# Altium PCB Touch01.PcbDoc
Units mil, origin at the board's own origin, x right, y up, seen from the top; angles counter-clockwise.
Board outline 2350.21 x 1949.06 mil, 2 copper layers (Top Layer, Bottom Layer); 54 components, 45 nets, 248 pads, 56 vias.
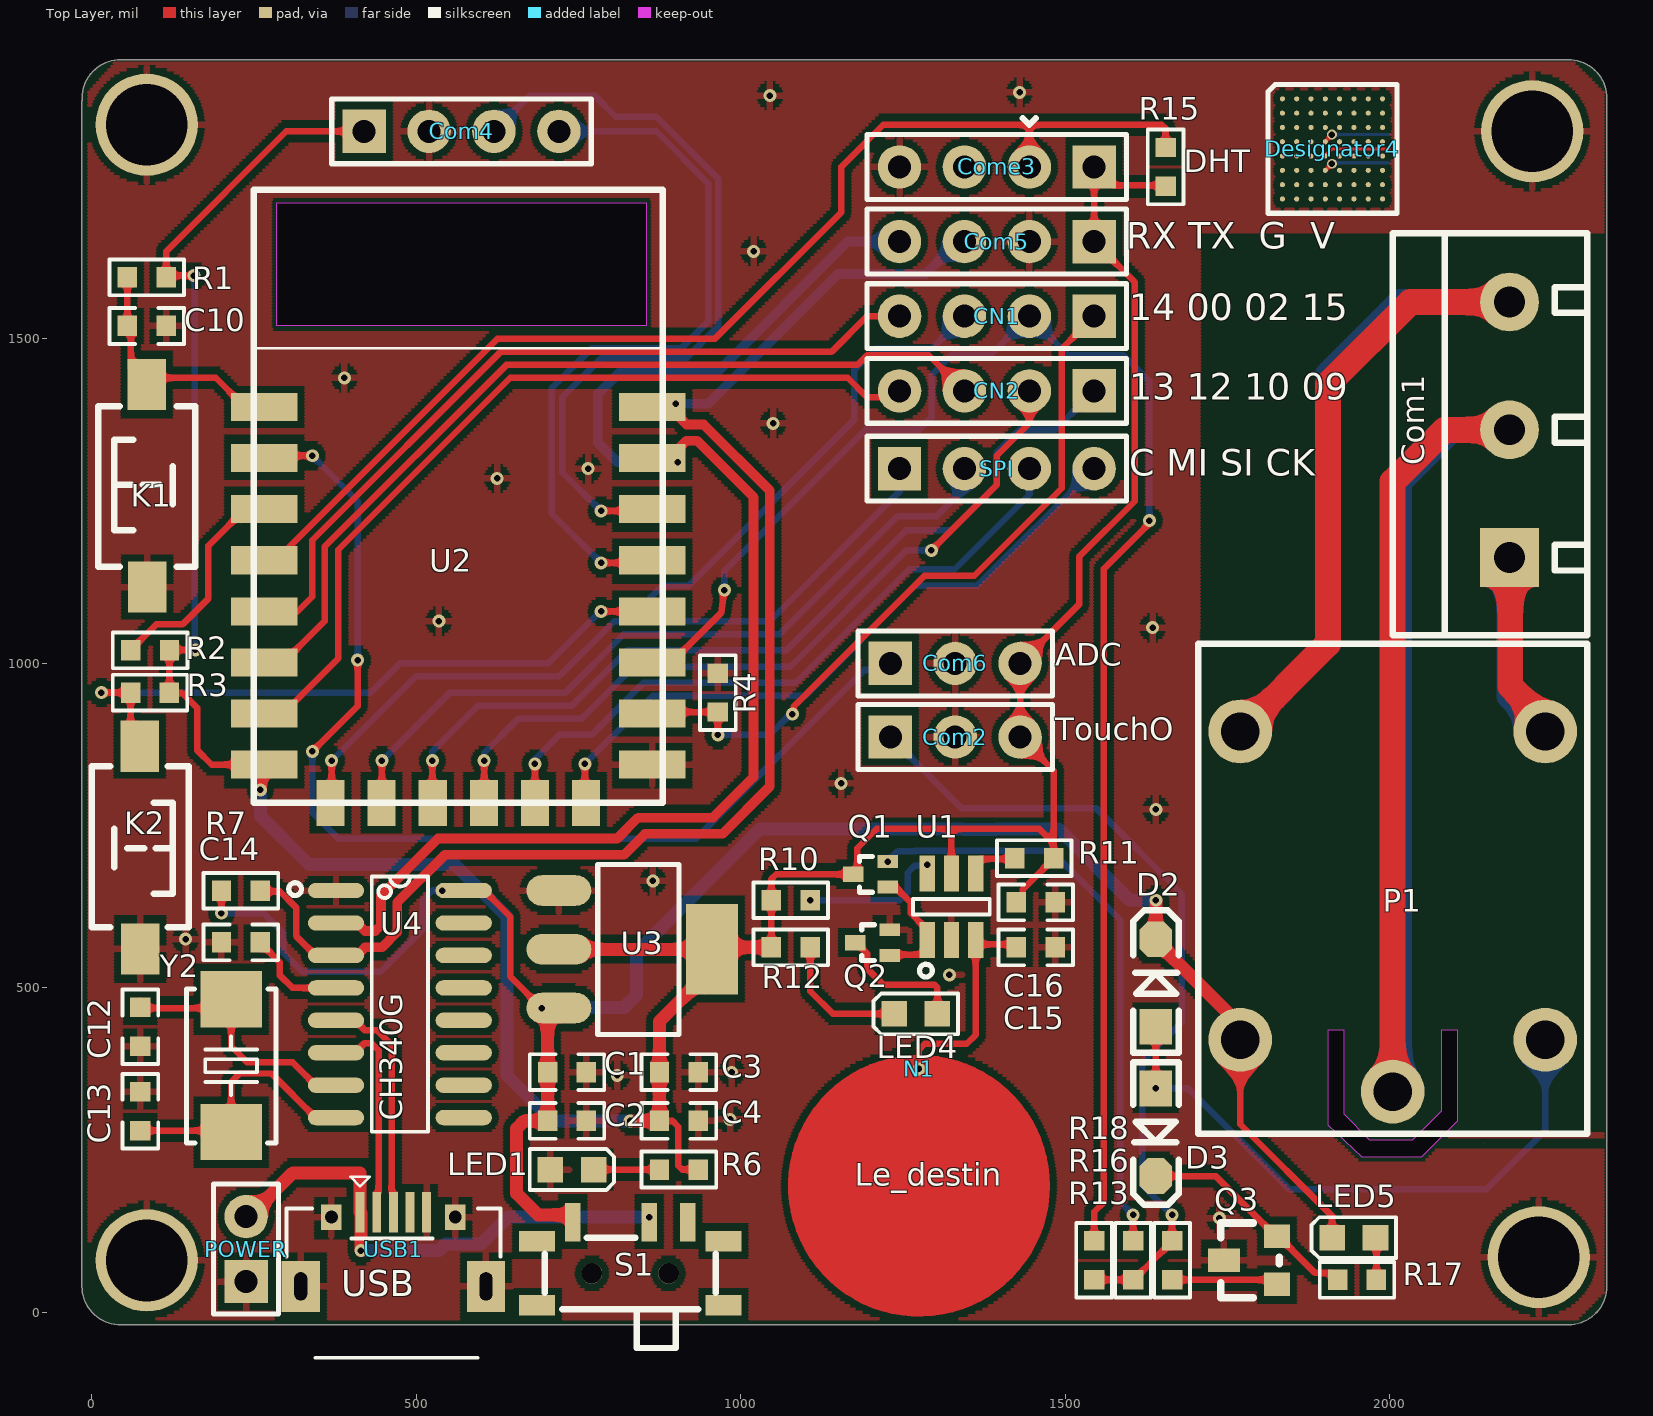
[diagram p0: Top Layer view]
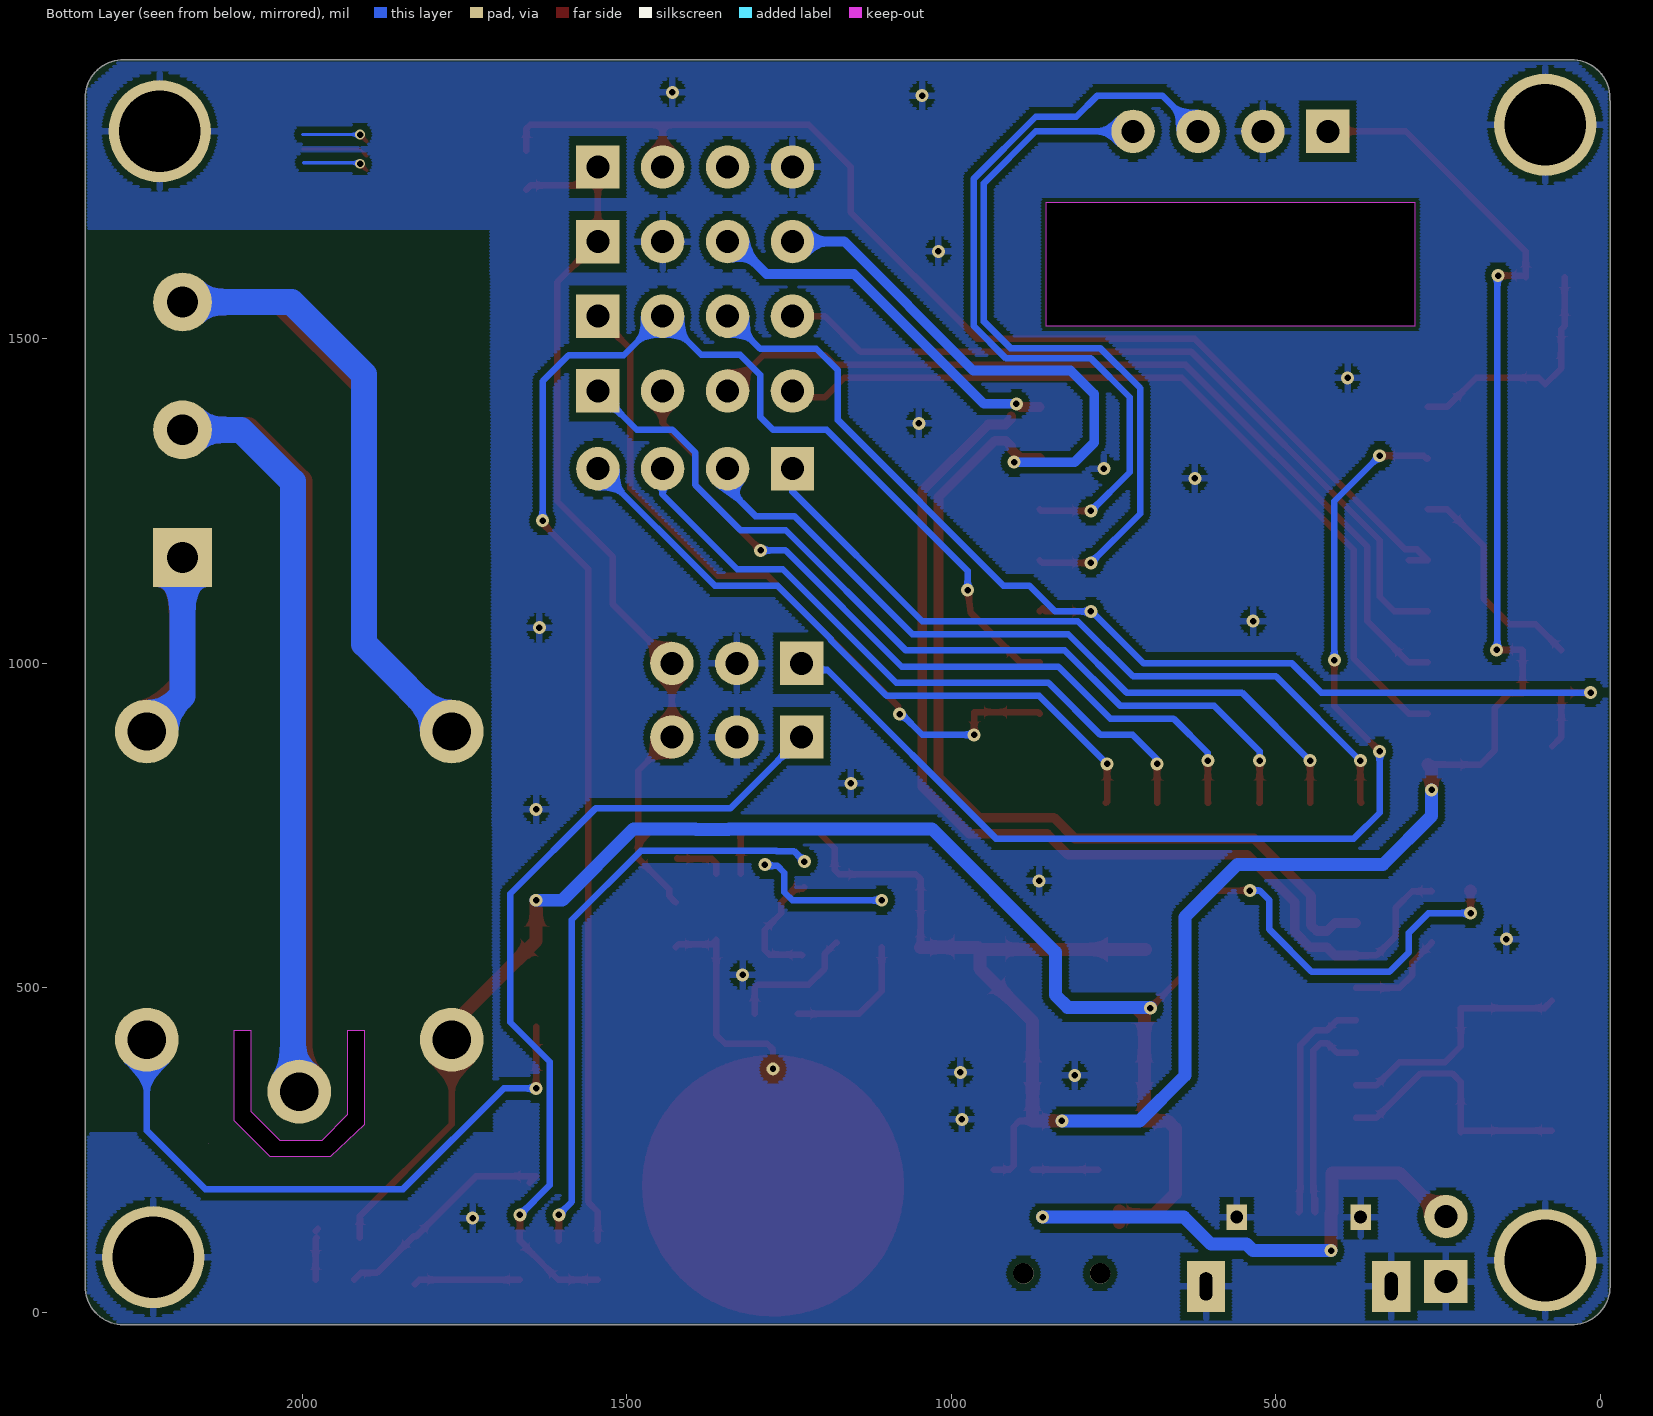
[diagram p1: Bottom Layer view, seen from below]

## Layer stack, top to bottom
Top Solder: solder mask 0.4, Solder Resist, Dk 3.5
Top Layer: signal copper 1.4
Dielectric 1: dielectric 12.6, FR-4, Dk 4.8
Bottom Layer: signal copper 1.4
Bottom Solder: solder mask 0.4, Solder Resist, Dk 3.5

## Board outline
-15.2,40 -15.2,1866.89 -14.89,1866.89 cw(c44.01,1871.1) 39.8,1930 2274.8,1930 cw(c2275.96,1870.96) 2335.02,1870.96 2334.8,40 cw(c2275.75,40) 2275.75,-19.06 44.79,-19.05 cw(c43.86,40)
cut-out: 2144.8,260

## Design rules (kind name [scope] priority, off if disabled: settings)
Clearance [All] p1: gap=6 ignorepadtopadclearanceinfootprint=FALSE except(10: Arc-Poly Track-Poly SMDPad-Poly THPad-Poly Via-Poly Fill-Poly Poly-Poly)
DiffPairsRouting [All] p1: maxlimit=10 minlimit=10 mostfreqgap=10 toplayer_minwidth=10 toplayer_maxwidth=15 toplayer_prefwidth=15 bottomlayer_minwidth=10 bottomlayer_maxwidth=15 bottomlayer_prefwidth=15 maxuncoupledlength=500
PolygonConnect PolygonConnect_2 [InNet('GND') vs IsNamedPolygon('GND_L02_P012')] p1: connectstyle=Relief reliefconductorwidth=10 reliefentries=4 polygonreliefangle="90 Angle" airgapwidth=10
PolygonConnect PolygonConnect_1 [InNet('GND') vs IsNamedPolygon('GND_L01_P010')] p2: connectstyle=Relief reliefconductorwidth=10 reliefentries=4 polygonreliefangle="90 Angle" airgapwidth=10
RoutingVias [All] p1: holewidth=10 width=20 viastyle="Through Hole" minholewidth=10 minwidth=20 maxholewidth=10 maxwidth=20
SolderMaskExpansion [All] p1: expansion=4
Width [All] p1: maxlimit=40 minlimit=5 preferedwidth=10
29 further rules are at their usual default settings.

## Components (designator, comment, footprint, x,y, rotation, side; value= is the part's Value field where it differs from the comment)
C1 "0.1uF" 0603C 732.32,370 r0 top
C2 "10uF" 0603C 732.32,295 r0 top
C3 "0.1uF" 0603C 904.8,370 r0 top
C4 "10uF" 0603C 904.8,295 r0 top
C10 "104" 0603C 84.8,1520 r0 top
C12 "22pF" 0603C 74.8,439.92 r270 top
C13 "22pF" 0603C 74.8,310 r90 top
C14 "0.01uF" 0603C 229.8,570 r0 top
C15 "0~50pF" 0603C 1454.8,562.5 r0 top
C16 "0.1uF" 0603C 1454.8,631.64 r0 top
CN1 "COM4" HDR2.54-LI-4P 1394.8,1535 r180 top
CN2 "COM4" HDR2.54-LI-4P 1394.8,1420 r180 top
Com1 "COM3-relay" KF301-5.0-3P 2184.8,1360 r90 top
Com2 "COM3" HDR2.54-M-LI-3P 1330.62,886.53 r0 top
Com4 "COM4_oled" HDR2.54-4P 569.8,1820 r0 top
Com5 "COM4-USART" HDR2.54-LI-4P 1394.77,1650 r180 top
Com6 "COM3-adc" HDR2.54-LI-3P 1330.62,1000 r0 top
Come3 "COM4-singlewire" HDR2.54-4P 1394.77,1765 r180 top
D2 "1N4007" SOD-123 1639.8,507.5 r90 top
D3 "1N4007" SOD-123 1639.8,277.5 r270 top
Designator4 "Comment" BGA64X8 1834.8,1870 r0 top
K1 "Key-Reset" "TSW SMD-3*6*2.5" 84.8,1275 r90 top
K2 "Key-Flash" "TSW SMD-3*6*2.5" 74.8,715 r270 top
LED1 "LED" 0603D 739.8,220 r0 top
LED4 "LED" 0603D 1269.8,460 r180 top
LED5 "LED 0603" 0603D 1944.8,115 r180 top
N1 "TouchPad" TOUCHPAD 1274.8,195 r90 top
P1 "Relay-TONGLING-5" TONGLING-RELAY-5 1704.8,285 r90 top
POWER "COM2" COM2 237.87,97.43 r90 top
Q1 "NPN_DTC143" SOT-523 1199.8,675 r0 top
Q2 "NPN_DTC143" SOT-523 1203.23,569.68 r0 top
Q3 "S8050" SOT23 1784.8,80 r90 top
R1 "10K" 0603R 84.8,1595 r0 top
R2 "10K" 0603R 89.88,1020 r0 top
R3 "10K" 0603R 89.72,955 r0 top
R4 "1K" 0603R 964.8,955 r270 top
R6 "10K" 0603R 904.8,220 r0 top
R7 "4.7K" 0603R 229.88,649.61 r0 top
R10 "470" 0603R 1077.3,635 r0 top
R11 "470" 0603R 1452.52,700 r180 top
R12 "4.7k" 0603R 1077.3,562.5 r0 top
R13 "1K" 0603R 1664.8,80.08 r90 top
R15 "470" 0603R 1654.8,1765.08 r270 top
R16 "NC" 0603R 1604.8,80.08 r270 top
R17 "4.7K" 0603R 1949.8,50 r180 top
R18 "NC" 0603R 1544.77,80.08 r270 top
S1 "SW-SPDT" MSK-12C01-07 829.8,60 r0 top
SPI "COM4" HDR2.54-LI-4P 1394.77,1300 r0 top
U1 "TTP223-BA" SOT23-6 1324.8,625 r0 top
U2 "ESP8266" "ESP-12E&F MODULE" 564.8,1090 r0 top locked
U3 "LM1117" SOT223 719.8,650 r270 top
U4 "CH340G" SOP16 474.8,475 r270 top
USB1 "USB-mini" USB-micro_A 464.8,40 r0 top
Y2 "12MHz" "YYC 6035-2P" 214.8,380 r270 top

## Footprints (in the part's own frame and the unit in brackets; to place one, negate y for a bottom-side part, rotate by r counter-clockwise, add the part's x,y. Pads: shape width x height; smd on the part's side, far side on the other; paste and mask are expansions set on the pad)
0603C [mm]
  rect 0.76x0.8 smd: 1(-0.76,0) 2(0.76,0)
  silkscreen extent -1.46,-0.7 1.46,0.7, body extent -0.8,-0.4 0.8,0.4, height 0.85
0603D [mm]
  rect 1x1 smd: 1(0.85,0) 2(-0.85,0)
  silkscreen extent -1.65,-0.8 1.65,0.8, body extent -0.81,-0.4 0.81,0.4, height 0.6
0603R [mm]
  rect 0.76x0.8 smd: 1(-0.76,0) 2(0.76,0)
  silkscreen extent -1.46,-0.7 1.46,0.7, body extent -0.85,-0.4 0.85,0.4, height 0.56
BGA64X8 [mm]
  round 0.2 smd: A1(0,0) A2(0.56,0) A3(1.12,0) A4(1.68,0) A5(2.24,0) A6(2.8,0) A7(3.36,0) A8(3.92,0) B1(0,-0.56) B2(0.56,-0.56) B3(1.12,-0.56) B4(1.68,-0.56) B5(2.24,-0.56) B6(2.8,-0.56) B7(3.36,-0.56) B8(3.92,-0.56) C1(0,-1.12) C2(0.56,-1.12) C3(1.12,-1.12) C4(1.68,-1.12) C5(2.24,-1.12) C6(2.8,-1.12) C7(3.36,-1.12) C8(3.92,-1.12) D1(0,-1.68) D2(0.56,-1.68) D3(1.12,-1.68) D4(1.68,-1.68) D5(2.24,-1.68) D6(2.8,-1.68) D7(3.36,-1.68) D8(3.92,-1.68) E1(0,-2.24) E2(0.56,-2.24) E3(1.12,-2.24) E4(1.68,-2.24) E5(2.24,-2.24) E6(2.8,-2.24) E7(3.36,-2.24) E8(3.92,-2.24) F1(0,-2.8) F2(0.56,-2.8) F3(1.12,-2.8) F4(1.68,-2.8) F5(2.24,-2.8) F6(2.8,-2.8) F7(3.36,-2.8) F8(3.92,-2.8) G1(0,-3.36) G2(0.56,-3.36) G3(1.12,-3.36) G4(1.68,-3.36) G5(2.24,-3.36) G6(2.8,-3.36) G7(3.36,-3.36) G8(3.92,-3.36) H1(0,-3.92) H2(0.56,-3.92) H3(1.12,-3.92) H4(1.68,-3.92) H5(2.24,-3.92) H6(2.8,-3.92) H7(3.36,-3.92) H8(3.92,-3.92)
  silkscreen extent -0.56,-4.48 4.48,0.56
COM2 [mm] "排针，2脚"
  rect 1.7x1.7 hole 0.9: 1(-1.27,0)
  round 1.7 hole 0.9: 2(1.27,0)
  silkscreen extent -2.54,-1.27 2.54,1.27
"ESP-12E&F MODULE" [mm]
  rect 2.6x1.1 smd: 1(-7.6,7.75) 2(-7.6,5.75) 3(-7.6,3.75) 4(-7.6,1.75) 5(-7.6,-0.25) 6(-7.6,-2.25) 7(-7.6,-4.25) 8(-7.6,-6.25) 15(7.6,-6.25) 16(7.6,-4.25) 17(7.6,-2.25) 18(7.6,-0.25) 19(7.6,1.75) 20(7.6,3.75) 21(7.6,5.75) 22(7.6,7.75)
  rect 1.1x1.8 smd: 9(-5,-7.75) 10(-3,-7.75) 11(-1,-7.75) 12(1,-7.75) 13(3,-7.75) 14(5,-7.75)
  Keep-Out Layer board cut-out: -7.112,15.748 7.366,15.748 7.366,10.922 -7.112,10.922
  silkscreen extent -8,-7.75 8,16.25, body extent -8,-7.74 8,16.64, height 3.1
HDR2.54-4P [mm] "4脚"
  rect 1.7x1.7 hole 0.9: 1(-3.81,0)
  round 1.7 hole 0.9: 2(-1.27,0) 3(1.27,0) 4(3.81,0)
  silkscreen extent -5.08,-1.27 5.08,1.27
HDR2.54-LI-3P [mm] "排针，3脚"
  rect 1.7x1.7 hole 0.9: 1(-2.54,0)
  round 1.7 hole 0.9: 2(0,0) 3(2.54,0)
  silkscreen extent -3.81,-1.27 3.81,1.27, body extent -3.81,-1.27 3.81,1.27, height 8.5
HDR2.54-LI-4P [mm] "排针，4脚"
  rect 1.7x1.7 hole 0.9: 1(-3.81,0)
  round 1.7 hole 0.9: 2(-1.27,0) 3(1.27,0) 4(3.81,0)
  silkscreen extent -5.08,-1.27 5.08,1.27, body extent -5.08,-1.27 5.08,1.27, height 8.5
HDR2.54-M-LI-3P [mm] "排母，3脚"
  rect 1.7x1.7 hole 0.9: 1(-2.54,0)
  round 1.7 hole 0.9: 2(0,0) 3(2.54,0)
  silkscreen extent -3.81,-1.27 3.81,1.27, body extent -3.81,-1.27 3.81,1.27, height 8.5
KF301-5.0-3P [mm] "可拼接端子/6A"
  rect 2.3x2.3 hole 1.2: 1(-5,0)
  round 2.3 hole 1.2: 2(0,0) 3(5,0)
  silkscreen extent -8.05,-3.05 7.7,4.57, body extent -7.87,-3 7.63,4.6, height 10.05
MSK-12C01-07 [mm] "6.7*2.8*1.5mm(长宽高）"
  rect 1.4x0.8 smd: 0(-3.65,-1.25) 0(-3.65,1.25) 0(3.65,-1.25) 0(3.65,1.25)
  rect 0.6x1.5 smd: 1(-2.25,1.996) 2(0.75,1.996) 3(2.25,1.996)
  round 0.8 hole 0.8: " "(-1.5,0) " "(1.5,0)
  silkscreen extent -3.35,-2.92 3.35,1.4, body extent -3.92,-2.9 3.92,2.4, height 1.5
SOD-123 [mil] "2.7x1.6X1.1mm（长宽高，不包括引脚）"
  rect 55x50 smd: 1(-67.5,0)
  oct 55x50 smd: 2(67.5,0)
  silkscreen extent -108,-35 112,35, body extent -73,-31 73,31, height 48
SOP16 [mm]
  oval 0.6x2.2 smd: 1(-4.445,-2.5) 2(-3.175,-2.5) 3(-1.905,-2.5) 4(-0.635,-2.5) 5(0.635,-2.5) 6(1.905,-2.5) 7(3.175,-2.5) 8(4.445,-2.5) 9(4.445,2.5) 10(3.175,2.5) 11(1.905,2.5) 12(0.635,2.5) 13(-0.635,2.5) 14(-1.905,2.5) 15(-3.175,2.5) 16(-4.445,2.5)
  silkscreen extent -5,-4.35 5,1.1, body extent -4.99,-3.12 4.99,3.12, height 1.59
SOT23 [mil]
  rect 36x40 smd: 1(-37,-42) 3(37,-42)
  rect 36x50 smd: 2(0,40)
  silkscreen extent -58,-45 58,45, body extent -57,-47 57,51, height 39
SOT23-6 [mm]
  rect 0.6x1.4 smd: 1(-0.95,-1.3) 2(0,-1.3) 3(0.95,-1.3) 4(0.95,1.3) 5(0,1.3) 6(-0.95,1.3)
  silkscreen extent -1.5,-2.75 1.5,0.3, body extent -1.4,-1.13 1.4,1.3, height 1.09
SOT223 [mm]
  oval 1.2x2.54 smd: 1(4.6,0) 2(0,0) 3(2.3,0)
  rect 3.556x2.032 smd: 3(2.3,6)
  silkscreen extent -1.02,1.52 5.64,4.7, body extent -0.84,-0.51 5.46,6.39, height 1.6
SOT-523 [mm]
  rect 0.8x0.5 smd: 1(0.675,-0.5) 2(0.675,0.5)
  rect 0.8x0.6 smd: 3(-0.675,0)
  silkscreen extent -0.42,-0.7 0.08,0.7, body extent -0.83,-0.8 0.78,0.8, height 0.8
TONGLING-RELAY-5 [mm]
  round 2.5 hole 1.5 mask+0.102: 1(3.429,-1.651) 2(1.397,-7.62) 3(3.429,-13.589) 4(15.494,-1.651) 5(15.494,-13.589)
  Keep-Out Layer board cut-out: 3.81,-5.08 0.103,-5.08 -1.143,-6.409 -1.143,-8.763 0.254,-10.16 3.81,-10.16 3.81,-9.525 0.635,-9.525 -0.508,-8.382 -0.508,-6.731 0.508,-5.715 3.81,-5.715
  silkscreen extent -0.25,-15.24 18.92,0, body extent -0.1,-15.31 18.9,0.19, height 15.3
TOUCHPAD [mil]
  round 20 hole 10: 1(180,0)
  Top Layer region: -10,200 -35,195 -90,175 -145,135 -165,105 -195,45 -195,-40 -165,-105 -135,-145 -105,-165 -55,-190 30,-195 80,-180 135,-145 180,-85 196.85,-36.85 196.85,0 190,50 170,100 120,160 90,175 55,190
  Top Layer pour cut-out: 100,50
  Top Layer lines w10: 196.85,0 cw(c0,0) 196.31,-14.63 cw(c0,0) 0,-196.85 cw(c0,0) 196.85,0
"TSW SMD-3*6*2.5" [mm] "3*6*2.5mm"
  rect 2x1.5 smd: 1(-3.996,-0.02) 2(3.937,0)
  silkscreen extent -3.21,-1.9 3.09,1.9, body extent -4,-1.88 4,1.62, height 2.59
USB-micro_A [mm] "micro型USB ，5.7*7.8*2.5mm"
  rect 0.35x1.6 smd: 1(-1.3,2.9) 2(-0.65,2.9) 3(0,2.9) 4(0.65,2.9) 5(1.3,2.9)
  rect 1.5x2 hole 0.5 slot 1.1 at 90 deg: 5(-3.625,0) 5(3.625,0)
  rect 0.8x1 hole 0.5: 5(-2.425,2.71) 5(2.425,2.71)
  silkscreen extent -4.19,-2.79 4.19,4.3, body extent -4,-2.71 4,2.89, height 2.8
"YYC 6035-2P" [mm] "6mm*3.5mm*1mm(长*宽*高)"
  rect 2.2x2.4 smd: 1(-2.6,0) 2(2.6,0)
  silkscreen extent -3,-1.75 3.02,1.75, body extent -3,-1.75 3,1.75, height 1.06

## Part data
C1 C2 C3 C4 C10 C12 C13 C14 C15 C16: library part CAP, "Capacitor"
Com5: library part COM4
D2 D3: library part "Diode 1N914", "High Conductance Fast Diode", Code_JEDEC=DO-204-AH, ComponentLink1Description="Manufacturer Link", ComponentLink1URL=http://www.fairchildsemi.com/, ComponentLink2Description=Datasheet, ComponentLink2URL=http://www.fairchildsemi.com/ds/1N%2F1N4448.pdf, DatasheetVersion=1997, LatestRevisionDate=17-Jul-2002, LatestRevisionNote="Re-released for DXP Platform.", PackageDescription="Diode, Axial; Body 3.8 x 1.9 mm (LxDia. max), Lead Dia. 0.53 mm (max)", PackageReference=DO-35, Published=8-Jun-2000, Publisher="Altium Limited"
K1 K2: library part Key
LED1 LED4 LED5: library part LED2, "Typical RED, GREEN, YELLOW, AMBER GaAs LED", LatestRevisionDate=17-Jul-2002, LatestRevisionNote="Re-released for DXP Platform.", PackageDescription="SM LED; 2 Flat Leads", PackageReference=3.2X1.6X1.1, PackageVersion=Feb-2002, Published=8-Jun-2000, Publisher="Altium Limited"
Q3: library part NPN, "NPN Transistor"
R1 R2 R3 R4 R6 R7 R10 R11 R12 R13 R15 R16 R17 R18: library part RES1
S1: "SPDT Subminiature Toggle Switch, Right Angle Mounting, Vertical Actuation", ComponentLink1Description="Manufacturer Link", ComponentLink1URL=http://www.apem.com, DatasheetVersion=05-Dec-2000, LatestRevisionDate=17-Dec-2003, LatestRevisionNote="Schematic revised, PCB Footprint replaced.", PackageDescription="Switch; 4 Leads", PackageReference=TL36WW15050, Published=24-Mar-1999, Publisher="Altium Limited"
U3: library part LM317
USB1: library part USBmini
Y2: library part CrystalPassive

## Free pads (board coordinates)
  round 157.48 hole 125.98: 1(84.8,1830) 2(84.8,80) 3(2219.8,1820) 3(2229.8,85)

## Via types
v1: diameter 20, hole 10, Top Layer to Bottom Layer, tented both sides, 49 vias
v2: diameter 20, hole 10, Top Layer to Bottom Layer, 4 vias
v3: diameter 15, hole 10, Top Layer to Bottom Layer, tented both sides, 2 vias
v4: diameter 20/20 (per signal layer), hole 10, Top Layer to Bottom Layer, tented both sides, 1 vias

## Nets (pads, with @x,y where several pads share a name; then routed paths per layer and width w, separated by ;. In a path a pad name is that pad's centre, name@x,y a point inside that pad or via, vN(x,y) a via of type N, cw(c..) or ccw(c..) an arc to the next point about the centre after c; other vN are vias at no path point)
"5v IN": POWER.2 S1.2 USB1.1 | length 803.4
  Top Layer w20: POWER.2@229.8,135 309.8,215 413.62,215 USB1.1 414.8,152.99 v1(414.8,95)
  Bottom Layer w20: v1(414.8,95) 534.8,95 544.8,105 599.8,105 641.5,146.69 v1(859.33,146.69)
ADC: Com6.1 U2.2 | length 1704.1
  Top Layer w10: U2.2 266.97,1315 271.97,1320 v1(339.8,1320) ; v1(339.8,864.27) 409.8,934.27 v1(409.8,1005)
  Bottom Layer w10: v1(339.8,864.27) 339.8,770 379.8,730 931.22,730 1191.22,990 1220.62,990 Com6.1 ; v1(339.8,1320) 409.8,1250 v1(409.8,1005)
CS: SPI.1 U2.9 | length 1147.9
  Top Layer w10: U2.9 369.8,786.73 v1(369.8,850)
  Bottom Layer w10: v1(369.8,850) 499.8,980 720,980 805,1065 1045,1065 1244.77,1264.77 SPI.1
D+: U4.5 USB1.3 | length 360.4
  Top Layer w10: U4.5 405.54,450 420.54,435 439.07,435 462.01,412.07 462.01,185.35 462.91,184.45 462.91,156.06 USB1.3
D-: U4.6 USB1.2 | length 348.1
  Top Layer w10: U4.6 405.54,400 420.54,415 430.79,415 442.01,403.78 442.01,290 442.01,235 442.01,185.35 441.1,184.45 441.1,156.06 USB1.2 USB1.2@439.21,175
GND: C1.2 C2.2 C3.2 C4.2 C10.2 C12.2 C13.2 C14.1 C15.2 C16.2 Com2.2 Com4.2 Com5.2 Com6.2 Come3.4 K1.1 K2.2 LED1.2 pad.1 pad.2 pad.3 POWER.1 Q2.2 Q3.2 R4.1 U1.2 U2.15 U3.2 U4.1 USB1.5
  other v1: 1737.72,145 983.77,297.46 809.8,365 986.2,369.88 1321.73,520 144.63,575 864.8,665 1639.8,775 1154.8,815 1634.8,1055 534.8,1065 624.8,1285 765,1300 1050,1370 389.32,1440 1019.8,1635 1045,1875 1429.8,1880
GPIO00: CN1.3 K2.1 R3.1 U2.18 | length 1832
  Top Layer w10: v1(14.8,955) R3.1 59.8,886.53 K2.1 ; v1(784.8,1080) 854.17,1080 859.17,1085 U2.18
  Bottom Layer w10: v1(14.8,955) 430,955 475,1000 703.62,1000 780.94,1077.33 782.13,1077.33 v1(784.8,1080) 839.8,1080 879.8,1120 919.8,1120 1174.8,1375 1174.8,1451.68 1208.12,1485 1294.8,1485 CN1.3
GPIO02: CN1.2 R18.1 U2.17 | length 2458.6
  Top Layer w10: U2.17 893.54,1001.42 969.8,1077.68 v1(974.8,1112.84) ; R18.1 1544.77,154.97 1559.8,170 1559.8,1145.75 v1@1631.93,1217.87
  Bottom Layer w10: v1(974.8,1112.84) 974.8,1142.5 1192.3,1360 1274.8,1360 1294.8,1380 1294.8,1445 1325.53,1475.73 1385.53,1475.73 CN1.2 1504.8,1475 1589.8,1475 1629.8,1435 v1(1629.8,1220)
GPIO9: CN2.1 U2.11 | length 1359.2
  Top Layer w10: v1(524.8,850) 524.8,785.51 U2.11
  Bottom Layer w10: v1(524.8,850) 524.8,864.27 595,934.47 739.47,934.47 825,1020 1070,1020 1255,1205 1324.84,1205 1394.8,1274.97 1394.8,1325 1429.8,1360 1484.8,1360 CN2.1
GPIO10: CN2.2 U2.12 | length 1204.2
  Top Layer w10: U2.12 604.8,785.51 v1(604.8,850) ; v1(1293.96,1174.16) 1394.8,1275 1394.8,1320 1444.8,1370 CN2.2
  Bottom Layer w10: v1(604.8,850) 604.8,862.12 657.69,915 755,915 835,995 1076.48,995 1255.64,1174.16 v1(1293.96,1174.16)
GPIO12: CN2.3 U2.6 | length 1365.3
  Top Layer w10: U2.6 295.12,1001.42 358.8,1065.1 358.8,1179.8 639,1460 1179.8,1460 1194.8,1475 1289.8,1475 CN2.3
GPIO13: CN2.4 U2.7 | length 1308.1
  Top Layer w10: U2.7 295.12,922.68 380,1007.56 380,1175 645,1440 1164.8,1440 1194.8,1410 1234.8,1410 CN2.4
GPIO14: CN1.4 U2.5 | length 1218.7
  Top Layer w10: U2.5 317.28,1080.16 339.8,1102.68 339.8,1189.8 630,1480 1139.8,1480 1194.8,1535 CN1.4
GPIO15: CN1.1 R4.2 U2.16 | length 1115.6
  Top Layer w10: U2.16 866.42,925.08 R4.2 v1(964.8,890) ; v1(1079.8,922) 1081.72,923.91 1081.72,933.58 1283.14,1135 1359.8,1135 1494.8,1270 1494.8,1485 CN1.1
  Bottom Layer w10: v1(964.8,890) 1044.8,890 1076.8,922 v1(1079.8,922)
GPIO16: Come3.2 R15.1 U2.4 | length 1839.3
  Top Layer w10: U2.4@295.12,1158.9 U2.4 282.24,1175.55 300.55,1175.55 625,1500 959.8,1500 1154.8,1695 1154.8,1765 1219.8,1830 1444.8,1830 ; Come3.2 1444.8,1830 ; R15.1@1654.8,1790 R15.1 1654.8,1824.14 1648.95,1830 1444.8,1830
MISO: SPI.2 U2.10 | length 1166.9
  Top Layer w10: U2.10 447.18,785.37 v1(447.18,850)
  Bottom Layer w10: v1(447.18,850) 552.18,955 730,955 820,1045 1060,1045 1242,1227 1301.8,1227 1344.77,1269.97 SPI.2
MOSI: SPI.3 U2.13 | length 1038.1
  Top Layer w10: U2.13 v1(682.91,845)
  Bottom Layer w10: v1(682.91,845) 682.91,847.71 682.91,852.14 720.46,889.69 770,889.69 850.31,970 1084.8,970 1259.8,1145 1329.8,1145 1444.77,1259.97 SPI.3
NetC10_1: C10.1 K1.2 R1.1 U2.1 | length 380.9
  Top Layer w10: R1.1 C10.1 60.28,1514.61 60.28,1454.53 K1.2 94.8,1440 191.18,1440 236.06,1395.12 U2.1
NetC12_1: C12.1 U4.7 Y2.1 | length 389.9
  Top Layer w10: C12.1@74.8,479.92 85.83,468.9 214.8,468.9 214.8,410 239.8,385 309.88,385 344.88,350 U4.7
NetC13_1: C13.1 U4.8 Y2.2 | length 413.5
  Top Layer w10: C13.1 212.36,280.08 Y2.2 214.8,355 227.82,368.02 276.86,368.02 344.88,300 U4.8
NetC14_2: C14.2 U4.4 | length 157.6
  Top Layer w10: C14.2 259.72,569.21 289.47,539.47 289.47,519.78 309.25,500 U4.4
NetC15_1: C15.1 N1.1 U1.3 | length 340.5
  Top Layer w10: N1.1 1274.8,391.85 1274.8,405 1283.5,413.7 1348.5,413.7 1362.2,427.4 U1.3 1369.02,567.01 1420.37,567.01 C15.1
NetCom1_1: Com1.3 P1.4 | length 1855.7
  Top Layer w40: P1.4 1904.8,1030 1904.8,1430 2031.65,1556.85 Com1.3
  Bottom Layer w40: P1.4 1904.8,1030 1904.8,1445 2016.65,1556.85 Com1.3
NetCom1_2: Com1.2 P1.2 | length 2300.4
  Top Layer w40: P1.2 2004.8,1280 2084.8,1360 Com1.2
  Bottom Layer w40: P1.2 2014.8,350 2014.8,1280 2094.8,1360 Com1.2
NetCom1_3: Com1.1 P1.5 | length 581.9
  Top Layer w40: Com1.1 2185.93,1162.02 2185.93,964.68 2239.8,910.81 P1.5
  Bottom Layer w40: Com1.1 2184.8,950 P1.5
NetD2_1: D2.1 D3.1 P1.3 | length 943.6
  Top Layer w10: v2(1639.8,345) D2.1
  Top Layer w20: P1.3@2234.8,415 P1.3
  Bottom Layer w10: v2(1639.8,345) 1689.8,345 1844.8,190 2149.8,190 2239.8,280 P1.3
NetD3_2: D3.2 Q3.3 R17.2 | length 361
  Top Layer w10: D3.2@1649.8,200 D3.2 1731.8,210 1824.8,117 Q3.3 1828.8,117 1885.06,60.75 1909.92,60.75 1919.88,50.79 R17.2
NetLED1_1: LED1.1 R6.1 | length 101.6
  Top Layer w10: LED1.1 R6.1
NetLED4_1: LED4.1 R12.2 | length 211.1
  Top Layer w10: R12.2 1107.22,494.94 1142.17,460 LED4.1
NetLED4_2: LED4.2 Q2.3 | length 208.9
  Top Layer w10: Q2.3 1177.99,569.68 1194.8,552.87 1194.8,530 1219.66,505.14 1298.12,505.14 1303.27,500 LED4.2
NetLED5_2: LED5.2 R17.1 | length 70.6
  Top Layer w10: LED5.2@1976.26,128.54 LED5.2@1979.8,125 ; LED5.2 1979.72,113.54 R17.1
NetQ3_1: Q3.1 R13.1 | length 165
  Top Layer w10: R13.1 1819.65,50.16 Q3.1
NetR2_1: R2.1 U2.3 | length 343.9
  Top Layer w10: R2.1 59.96,1020.79 99.17,1060 139.8,1060 179.8,1100 179.8,1181.38 236.06,1237.64 U2.3
NetR10_2: R10.2 U1.6 | length 220.5
  Bottom Layer w10: v1(1107.22,635) 1244.8,635 1257.3,647.5 1257.3,677.5 1267.89,688.09 1285.49,688.09 v1(1287.4,690)
NetR11_2: R11.2 U1.4 | length 79.5
  Top Layer w10: U1.4 1362.2,691.93 1369.02,698.74 1421.34,698.74 R11.2
RX_ESP: Com5.4 U2.21 U4.2 | length 2184.5
  Top Layer w15: U4.2 408.47,600 420.97,587.5 436.83,587.5 445.61,596.29 445.61,641.99 533.62,730 809.8,730 842.13,762.32 957.55,762.32 1019.8,824.58 1019.8,1256.14 932.7,1343.25 916.48,1343.25 907.7,1334.46 907.7,1330.53 893.54,1316.38 U2.21 U2.21@863.33,1315.69
  Bottom Layer w15: v1(903.12,1310) 809.8,1310 779.8,1340 779.8,1415 816.3,1451.5 966.3,1451.5 1164.8,1650 Com5.4
SCL-ESP: Com4.3 U2.20 | length 1215
  Top Layer w10: v1(784.8,1235) 861.38,1235 U2.20
  Bottom Layer w10: Com4.3 674.8,1875 774.8,1875 807.3,1842.5 869.93,1842.5 965.8,1746.63 965.8,1520.23 915.57,1470 784.8,1470 725.06,1410.25 725.06,1294.75 v1(784.8,1235)
SCLK: SPI.4 U2.14 | length 1035.3
  Top Layer w10: v1(759.8,845) 759.8,786.73 U2.14
  Bottom Layer w10: v1(759.8,845) 864.8,950 1099.8,950 1186.16,1036.36 1186.16,1038.02 1267.69,1119.55 1364.32,1119.55 SPI.4
SDA-ESP: Com4.4 U2.19 | length 1141
  Top Layer w10: v1(784.8,1155) 860.12,1155 U2.19
  Bottom Layer w10: Com4.4 869.8,1820 949.8,1740 949.8,1526.86 908.95,1486 770.8,1486 709.06,1424.25 709.06,1230.75 v1(784.8,1155)
SOUT: Q1.1 Q2.1 U1.1 | length 190.4
  Top Layer w10: Q1.1 1228.95,652.75 1240.86,652.75 1261.97,631.64 1261.97,615 1287.4,589.57 U1.1 1287.4,558.07 1280.59,551.26 1231.06,551.26 Q2.1
Touch: Q1.2 R16.1 | length 912.4
  Top Layer w10: R16.1 v1(1604.8,150.08)
  Bottom Layer w10: v1(1226.38,694.69) 1242.55,710.86 1269.25,710.86 1269.4,711 1478.8,711 1584.8,605 1584.8,180 1584.88,179.92 1584.88,170 v1(1604.8,150.08)
TouchOut: Com2.1 R13.2 R16.2 R18.2 | length 1274.2
  Top Layer w10: R18.2 R16.2 1605.59,50.16 1654.06,98.62 1654.06,100.04 1664.02,110 R13.2 v2(1664.8,150.08)
  Bottom Layer w10: Com2.1 1340.62,776.53 1548.27,776.53 1679.8,645 1679.8,447 1618.8,386 1618.8,196.08 v2(1664.8,150.08)
TX_ESP: Com5.3 R7.2 U2.22 U4.3 | length 2208.4
  Top Layer w10: R7.2@260.43,649.45 259.8,648.82 289.8,648.82 314.8,623.82 314.8,580.08 344.88,550 U4.3
  Top Layer w15: U4.3 408.47,550 420.97,562.5 447.18,562.5 470.61,585.93 470.61,631.64 543.98,705 820.16,705 852.48,737.32 972.13,737.32 1044.8,810 1044.8,1266.5 943.05,1368.25 916.48,1368.25 907.7,1377.04 U2.22@907.7,1380.96 ; U2.22 U2.22 U2.22@893.54,1395.12
  Bottom Layer w15: v1(899.8,1400) 949.8,1400 1149.8,1600 1284.8,1600 1324.87,1640.06 1334.83,1640.06 Com5.3
VCC+3.3v: C3.1 C4.1 C16.1 Com2.3 Com4.1 Com5.1 Com6.3 Come3.1 Q1.3 R1.2 R2.2 R3.2 R6.2 R10.1 R11.1 R12.1 R15.2 U1.5 U2.8 U3.3 | length 5256.5
  Top Layer w10: R3.2 119.72,955.08 119.72,1019.92 R2.2 120.59,1020.79 v1(159.8,1020.79) ; R3.2@119.72,954.21 139.8,954.21 162.3,931.71 162.3,866.44 184.8,843.94 U2.8 ; v1(157.3,1597.5) 117.3,1597.5 114.8,1595 114.8,1620 114.72,1620.08 114.72,1634.92 299.8,1820 Com4.1 ; C4.1 894.8,295 903.95,285.86 903.95,225.86 909.8,220 R6.2 ; U3.3@956.02,559.45 U3.3@959.07,562.5 ; R12.1 R10.1 1047.38,667.58 1054.8,675 Q1.3 1179.8,681.57 1179.8,715 1209.8,745 1324.8,745 ; U1.5 1324.8,745 ; C16.1 1434.84,641.6 1434.84,651.61 1482.44,699.21 R11.1 1482.44,722.36 ; R15.2@1654.8,1730.16 1648.43,1736.54 1573.23,1736.54 Come3.1 Com5.1 1607.18,1587.59 1607.18,1250 1521.44,1164.26 1521.44,1090.81 Com6.3 Com2.3 1482.44,834.71 1482.44,722.36 ; 1324.8,745 1459.8,745 1482.44,722.36
  Top Layer w20: v1(259.8,805) 259.8,838.15 U2.8 ; U3.3@700.8,559.45 719.8,559.45 956.02,559.45 956.02,529.45 874.88,448.31 C3.1 C4.1 v2(829.8,295) ; U3.3@959.07,562.5 R12.1
  Bottom Layer w10: v1(157.3,1597.5) 158.55,1596.25 158.55,1022.04 v1(159.8,1020.79)
  Bottom Layer w20: v1(259.8,805) 259.8,765 334.8,690 559.25,690 639.8,609.45 639.8,365 709.8,295 v2(829.8,295)
VCC+5v: C1.1 C2.1 D2.2 LED5.1 P1.1 R7.1 S1.1 U3.1 U4.16 | length 3076.4
  Top Layer w10: v1(199.8,615) R7.1@199.8,649.45 ; U4.16@541.73,650 U4.16 604.72,650 644.8,609.92 644.8,517.52 v1(693.43,468.9) 714.99,468.9 U3.1 ; P1.1@1784.65,405.15 1769.8,390.3 1769.8,290 1911.34,148.46 LED5.1
  Top Layer w20: R7.1@199.8,649.45 R7.1 ; U3.1@714.99,468.9 702.4,456.31 C1.1 C2.1 666.52,295 654.8,283.28 654.8,183.11 687.91,150 734.92,150 741.22,156.3 S1.1 ; v2(1639.8,635) D2.2 1639.8,572.5 1769.8,442.5 P1.1 P1.1@1754.8,435.01 ; P1.1@1754.8,435.01 1749.8,440 1749.8,435.01 P1.1@1754.8,435.01
  Bottom Layer w10: v1(199.8,615) 264.8,615 294.8,585 294.8,555 324.8,525 444.8,525 509.8,590 509.8,635 524.8,650 v4(539.8,650) v4@541.73,650
  Bottom Layer w20: v1@693.43,470 820.8,470 839.8,489 839.8,555 1029.8,745 1342.45,745 1343.45,744 1393.5,744 1394.5,745 1489.8,745 1599.8,635 v2(1639.8,635)
pads on no net: "S1. " Come3.3 Designator4.A1 Designator4.A2 Designator4.A3 Designator4.A4 Designator4.A5 Designator4.A6 Designator4.A7 Designator4.A8 Designator4.B1 Designator4.B2 Designator4.B3 Designator4.B4 Designator4.B5 Designator4.B6 Designator4.B7 Designator4.B8 Designator4.C1 Designator4.C2 Designator4.C3 Designator4.C4 Designator4.C5 Designator4.C6 Designator4.C7 Designator4.C8 Designator4.D1 Designator4.D2 Designator4.D3 Designator4.D4 Designator4.D5 Designator4.D6 Designator4.D7 Designator4.D8 Designator4.E1 Designator4.E2 Designator4.E3 Designator4.E4 Designator4.E5 Designator4.E6 Designator4.E7 Designator4.E8 Designator4.F1 Designator4.F2 Designator4.F3 Designator4.F4 Designator4.F5 Designator4.F6 Designator4.F7 Designator4.F8 Designator4.G1 Designator4.G2 Designator4.G3 Designator4.G4 Designator4.G5 Designator4.G6 Designator4.G7 Designator4.G8 Designator4.H1 Designator4.H2 Designator4.H3 Designator4.H4 Designator4.H5 Designator4.H6 Designator4.H7 Designator4.H8 S1.0 S1.3 U4.9 U4.10 U4.11 U4.12 U4.13 U4.14 U4.15 USB1.4
copper on no net: | length 311.1
  Top Layer w5: 1900.94,1781.81 1901.59,1782.46 1901.59,1783.04 1911.22,1792.67 1999.8,1792.67 ; 1900.94,1804.61 1900.94,1803.86 1901.51,1804.42 1901.51,1805.17 v3(1911.22,1814.88) ; 1901.96,1760.62 1901.8,1760.62 1900.94,1759.76 v3(1911.18,1770)
  Bottom Layer w5: v3@1911.34,1771.42 1998.27,1771.42 ; v3@1911.34,1815 v3(1911.22,1814.88) 1999.69,1814.88

## Polygon pours and split planes (outlines as drawn)
GND on Top Layer "GND_L01_P010" (hatched Horizontal grid 5 track 5, remove dead copper, pour order 10): 34.8,1925 -5.2,1880 -5.2,30 39.8,-10 2284.8,-15 2329.8,30 2329.8,1880 2284.8,1925
GND on Bottom Layer "GND_L02_P012" (hatched Horizontal grid 5 track 5, remove dead copper, pour order 12): 34.9,1925.1 -10.1,1880.1 -10.1,25 29.95,-15.05 2285,-15.05 2330.02,29.98 2330.02,1885 2285,1925.1

## Other copper
Top Layer:
  pour cut-out: 1704.8,275 2335.02,275 2335.02,1665 1707.8,1665 1707.8,1660
Bottom Layer:
  pour cut-out: 1704.79,275.02 2339.8,275 2339.8,1670.08 1709.8,1665

## Silkscreen, mask and mechanical layers (free items; w line width, h text height)
Top Overlay:
  lines w10: 1434.79,1839.98 1444.77,1830 1454.78,1840.01
  text "DHT" at 1683.05,1745 h60
  text "RX TX  G  V" at 1594.52,1625 h70
  text "14 00 02 15" at 1598.8,1515 h70
  text "13 12 10 09" at 1598.8,1392.5 h70
  text "C MI SI CK" at 1598.8,1275 h70
  text "ADC" at 1485,985 h60
  text "TouchO" at 1485,870 h60
  text "Le_destin" at 1175.58,183.11 h60
Mechanical 1:
  lines w10: -15.2,40 -15.2,1866.89 ; 39.8,1930 2274.8,1930 ; 44.79,-19.05 2275.75,-19.06 ; 2334.8,40 2335.02,1870.96
Mechanical 13:
  lines w10: -15.2,40 ccw(c43.86,40) 44.79,-19.05 ; -14.89,1866.89 cw(c44.01,1871.1) 39.8,1930 ; 2274.8,1930 cw(c2275.96,1870.96) 2335.02,1870.96 ; 2275.75,-19.06 ccw(c2275.75,40) 2334.8,40

## Dimensions
2334.8,1930 to -15.2,1930.5 on Mechanical 1
-15.2,1930.5 to -15.2,-20 on Mechanical 1

## Text inside footprints (layer, text, board x,y; h text height)
USB1: Top Overlay "USB" at 384.8,25 h40